# KiCad board ni_arena_12-12.kicad_pcb
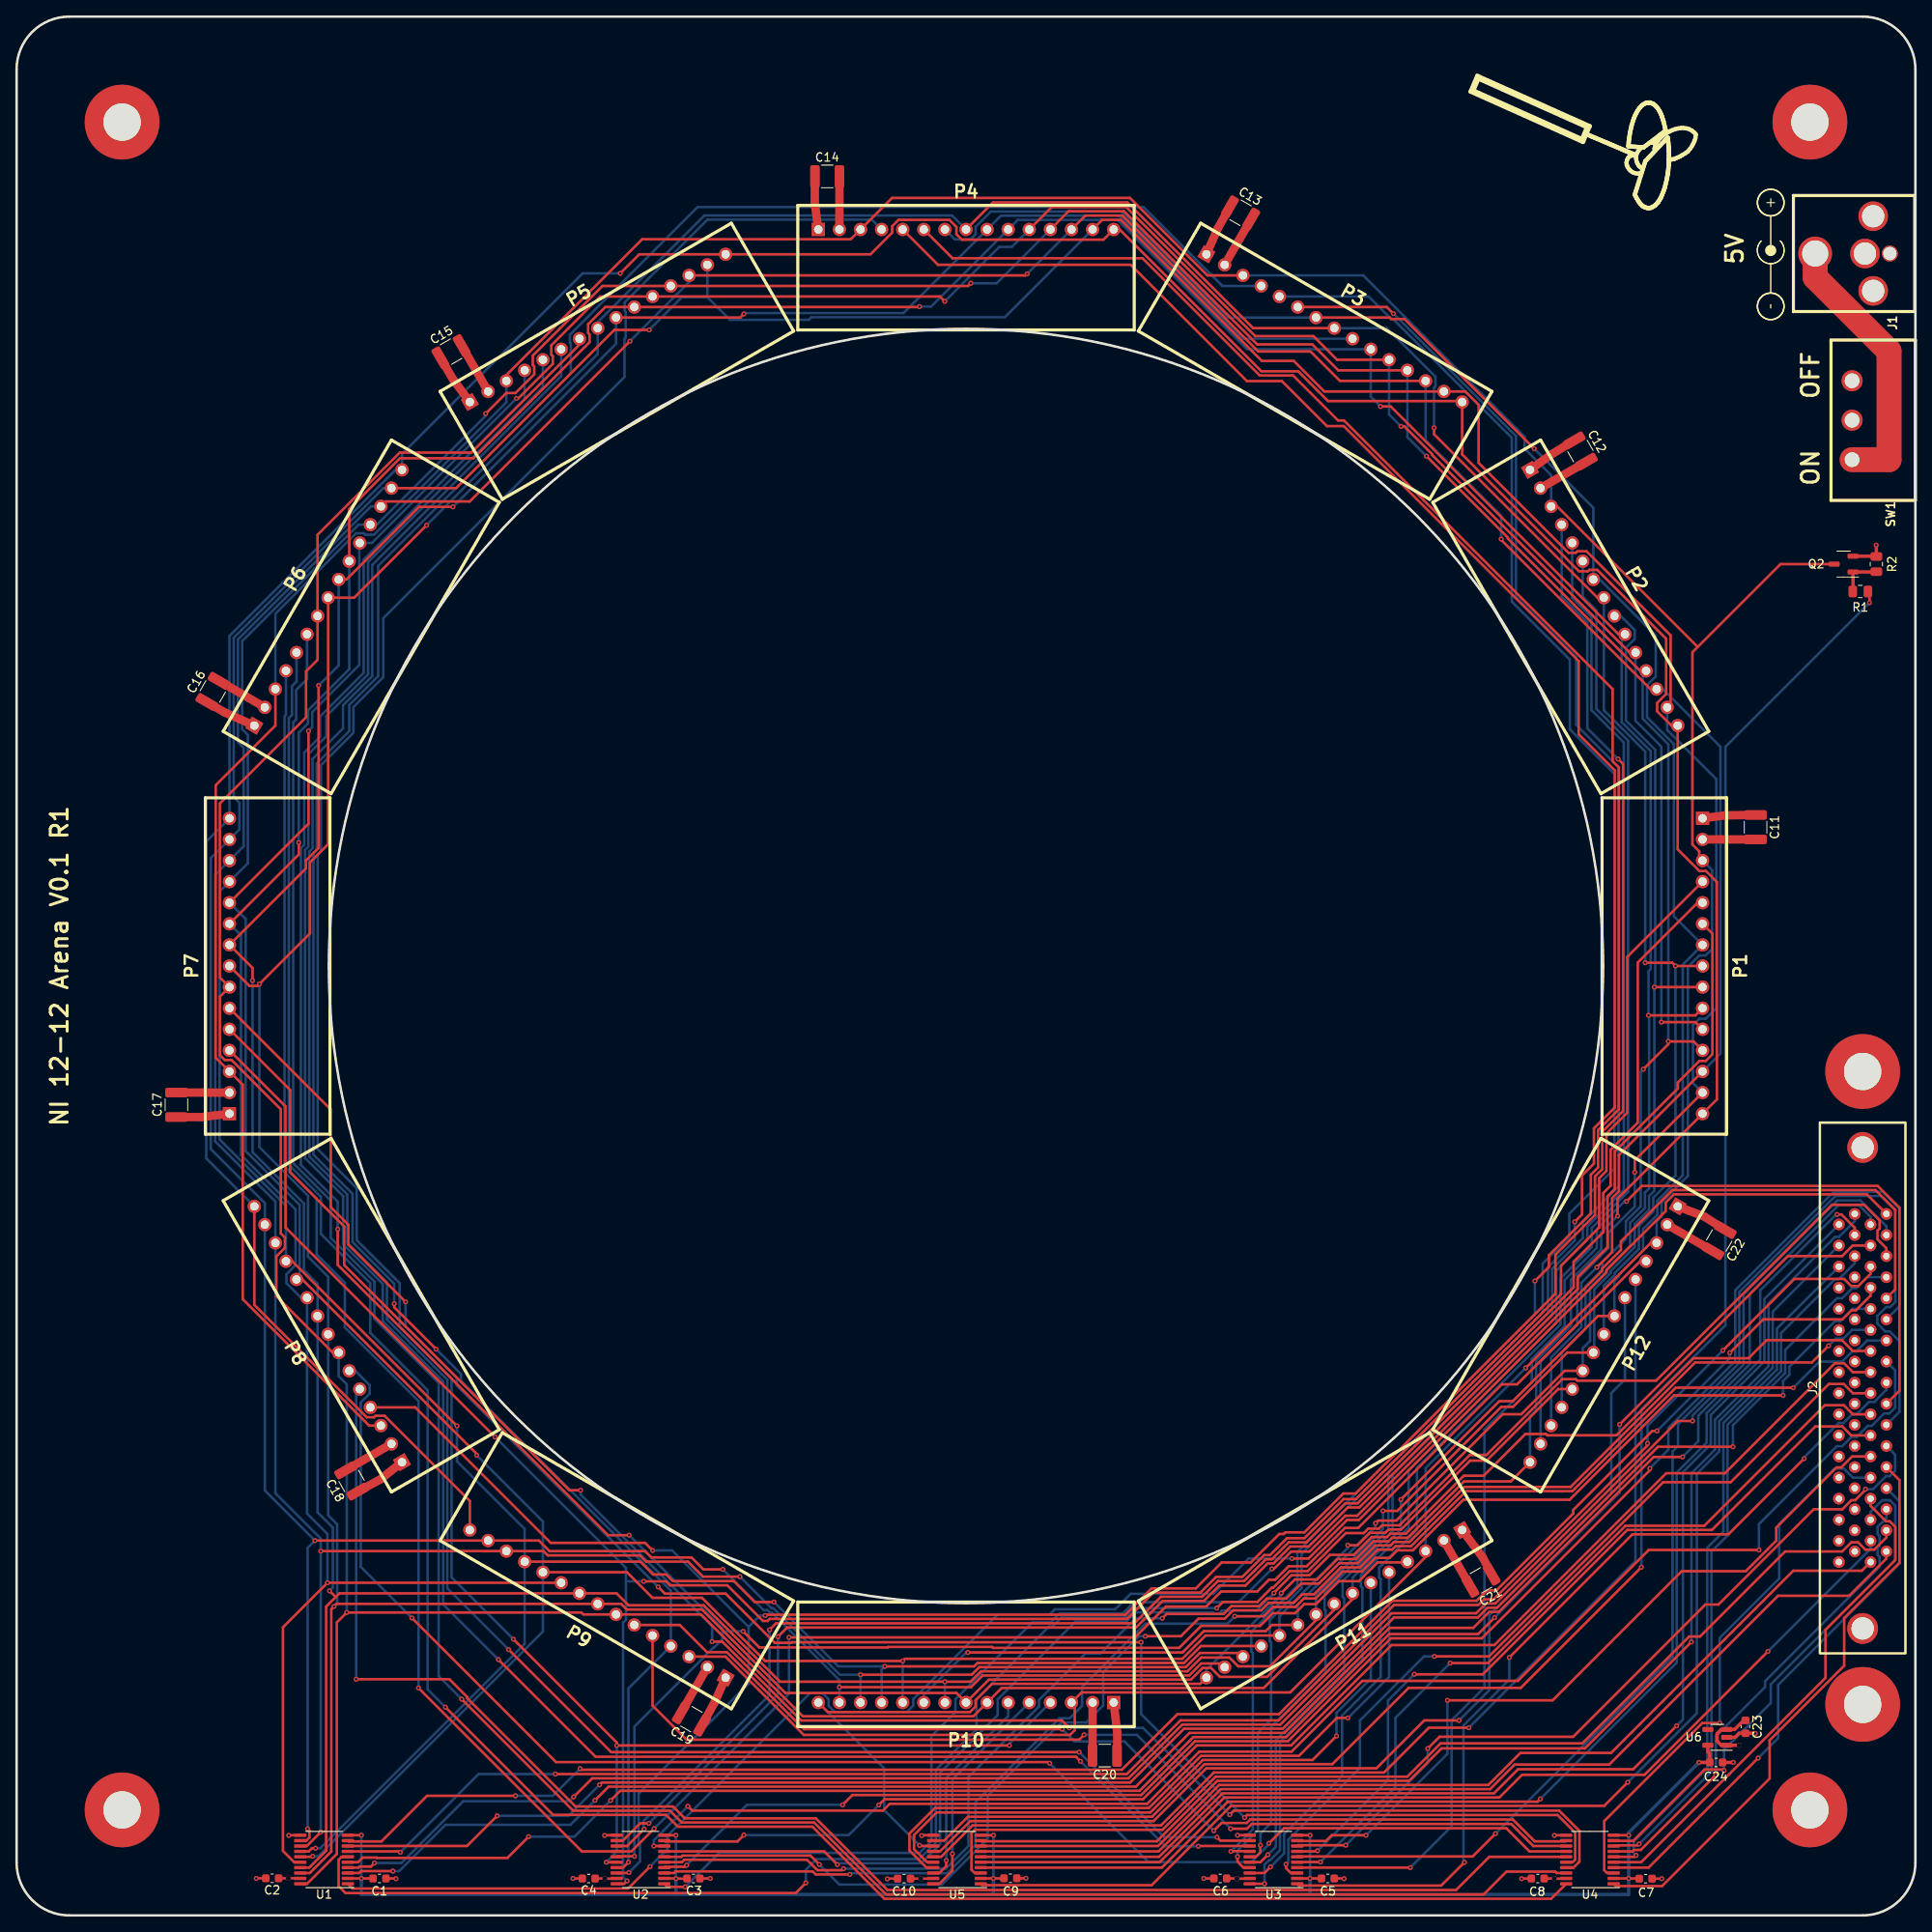
[diagram p0: board, top side]
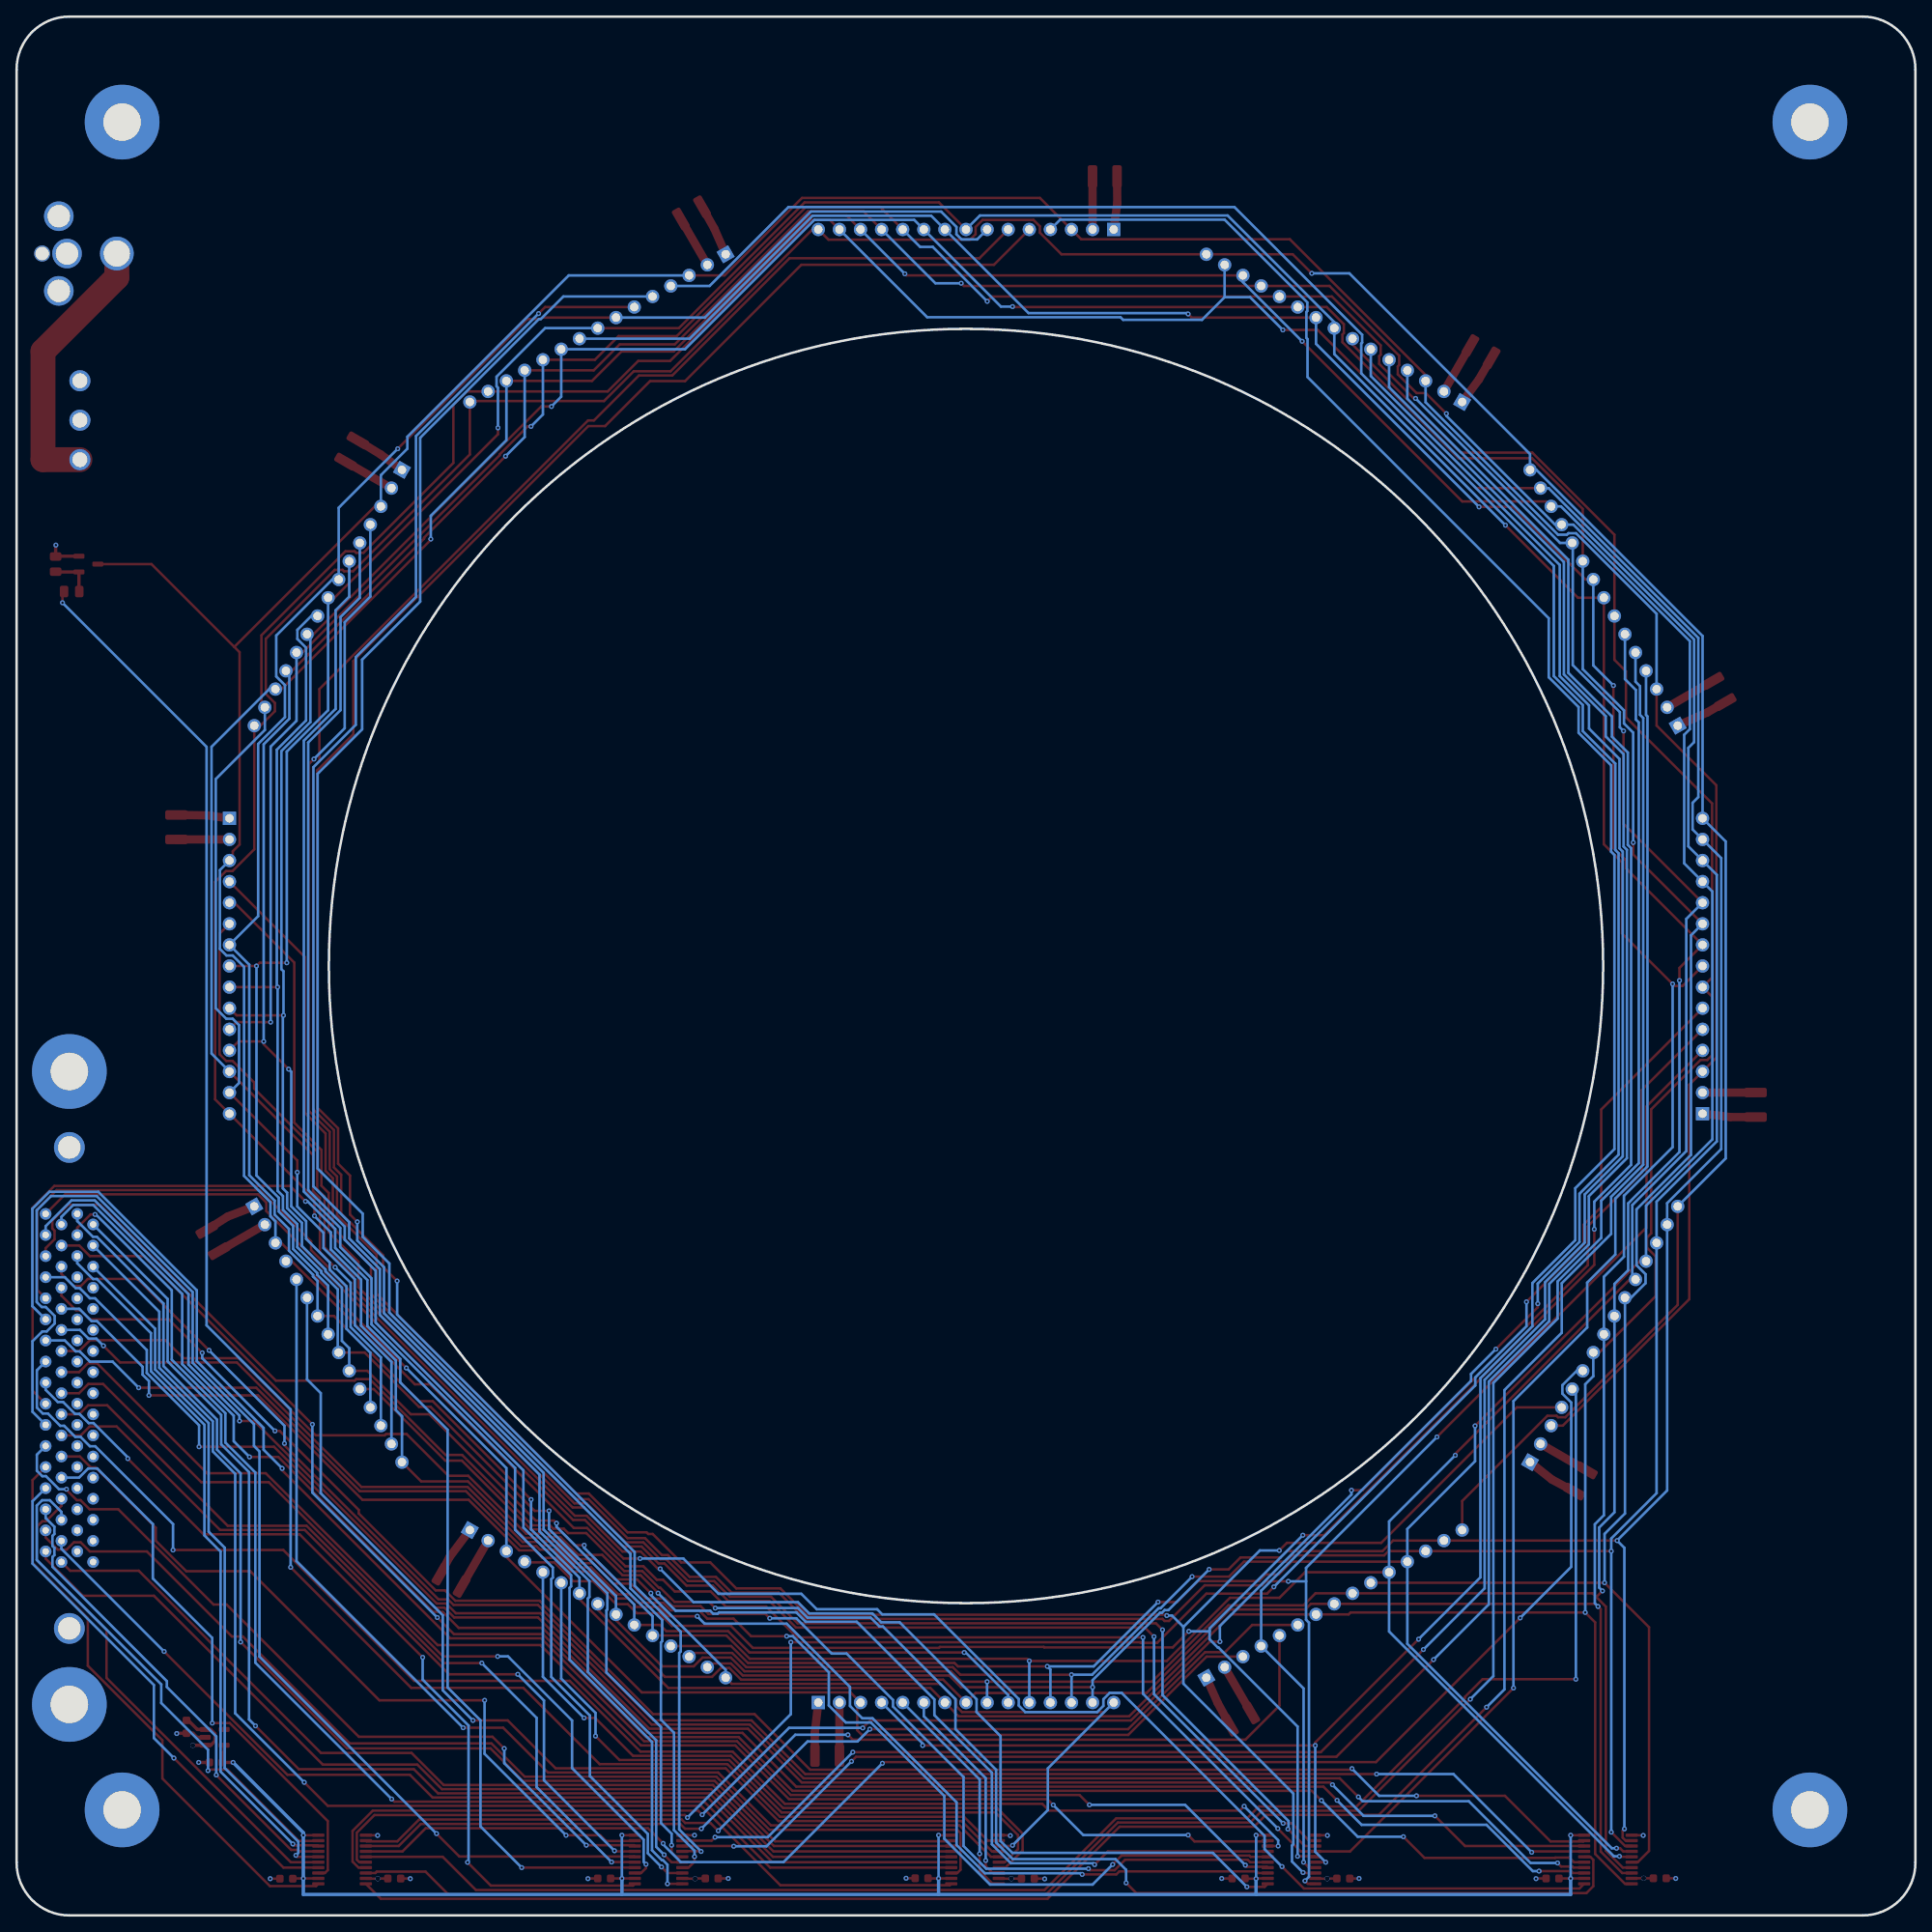
[diagram p1: board, bottom side, seen from below]

Outline 228.6 x 228.6 mm; copper layers: Top, In1.Cu (plane), In2.Cu (plane), Bottom. Coordinates in mm from the lower left corner of the outline.
Outline path: circle c114.3,114.3 r76.71 ; 0,222.25 0,6.35 arc(1.86,1.86) 6.35,0 222.25,0 arc(226.74,1.86) 228.6,6.35 228.6,222.25 arc(226.74,226.74) 222.25,228.6 6.35,228.6 arc(1.86,226.74) 0,222.25
Stack: Top 0.035mm / dielectric 0.1mm FR4 er 4.5 / In1.Cu 0.035mm / dielectric 1.24mm FR4 er 4.5 / In2.Cu 0.035mm / dielectric 0.1mm FR4 er 4.5 / Bottom 0.035mm

## Placement (name value [footprint] x y rotation side)
C1  0.1uF  [C_0603_1608Metric]  43.69 4.45 0 top
C2  0.1uF  [C_0603_1608Metric]  30.77 4.47 180 top
C3  0.1uF  [C_0603_1608Metric]  81.48 4.45 0 top
C4  0.1uF  [C_0603_1608Metric]  68.88 4.44 180 top
C5  0.1uF  [C_0603_1608Metric]  157.86 4.45 0 top
C6  0.1uF  [C_0603_1608Metric]  144.91 4.45 180 top
C7  0.1uF  [C_0603_1608Metric]  196.13 4.42 0 top
C8  0.1uF  [C_0603_1608Metric]  183.14 4.44 180 top
C9  0.1uF  [C_0603_1608Metric]  119.65 4.47 0 top
C10  0.1uF  [C_0603_1608Metric]  106.85 4.43 180 top
C11  100uF  [C_1210_3225Metric]  209.36 131.01 270 top
C12  100uF  [C_1210_3225Metric]  188.27 176.3 300 top
C13  100uF  [C_1210_3225Metric]  147.36 204.98 330 top
C14  100uF  [C_1210_3225Metric]  97.59 209.36 0 top
C15  100uF  [C_1210_3225Metric]  52.3 188.27 30 top
C16  100uF  [C_1210_3225Metric]  23.62 147.36 60 top
C17  100uF  [C_1210_3225Metric]  19.24 97.59 90 top
C18  100uF  [C_1210_3225Metric]  40.33 52.3 120 top
C19  100uF  [C_1210_3225Metric]  81.24 23.62 150 top
C20  100uF  [C_1210_3225Metric]  131.01 19.24 180 top
C21  100uF  [C_1210_3225Metric]  176.3 40.33 210 top
C22  100uF  [C_1210_3225Metric]  204.98 81.24 240 top
C23  10uF  [C_0603_1608Metric]  208.14 22.71 270 top
C24  10uF  [C_0603_1608Metric]  204.61 18.42 0 top
H1  MountingHole_Pad  [MountingHole_4.5mm_Pad]  12.7 215.9 0 top
H2  MountingHole_Pad  [MountingHole_4.5mm_Pad]  215.9 215.9 0 top
H3  MountingHole_Pad  [MountingHole_4.5mm_Pad]  215.9 12.7 0 top
H4  MountingHole_Pad  [MountingHole_4.5mm_Pad]  12.7 12.7 0 top
H5  MountingHole_Pad  [MountingHole_4.5mm_Pad]  222.25 101.6 0 top
H6  MountingHole_Pad  [MountingHole_4.5mm_Pad]  222.25 25.4 0 top
J1  Barrel_Jack  [DCJACK_2PIN_HIGHCURRENT]  228.52 200.08 270 top
J2  NI_TE_68pos  [TE_CONN_DSUB_VERT_68]  222.25 63.5 90 top
P1  CONN15  [HEADER_TOP]  202.97 114.3 270 top
P2  CONN15  [HEADER_TOP]  191.09 158.64 300 top
P3  CONN15  [HEADER_TOP]  158.64 191.09 330 top
P4  CONN15  [HEADER_TOP]  114.3 202.97 0 top
P5  CONN15  [HEADER_TOP]  69.96 191.09 30 top
P6  CONN15  [HEADER_TOP]  37.51 158.64 60 top
P7  CONN15  [HEADER_TOP]  25.63 114.3 90 top
P8  CONN15  [HEADER_TOP]  37.51 69.96 120 top
P9  CONN15  [HEADER_TOP]  69.96 37.51 150 top
P10  CONN15  [HEADER_TOP]  114.3 25.63 180 top
P11  CONN15  [HEADER_TOP]  158.64 37.51 210 top
P12  CONN15  [HEADER_TOP]  191.09 69.96 240 top
Q2  MOSFET_NCHAN  [SOT-23-3]  219.96 162.69 180 top
R1  200  [R_0805_2012Metric]  221.97 159.39 0 top
R2  20k  [R_0805_2012Metric]  223.9 162.69 270 top
SW1  SW_SPDT  [slide_switch]  223.52 180.01 90 top
U1  TXB0108PW  [TSSOP-20_4.4x6.5mm_P0.65mm]  37.02 6.73 180 top
U2  TXB0108PW  [TSSOP-20_4.4x6.5mm_P0.65mm]  75.12 6.73 180 top
U3  TXB0108PW  [TSSOP-20_4.4x6.5mm_P0.65mm]  151.32 6.73 180 top
U4  TXB0108PW  [TSSOP-20_4.4x6.5mm_P0.65mm]  189.42 6.73 180 top
U5  TXB0108PW  [TSSOP-20_4.4x6.5mm_P0.65mm]  113.22 6.73 180 top
U6  AP2112K-3.3  [SOT-23-5]  204.75 21.44 180 top

## Library data of the parts
C1-C24 = -: Description: Unpolarized capacitor
H1-H6 = -: Description: Mounting Hole with connection
J1 = -: Description: DC Barrel Jack
J2 = -: Description: Generic connector, double row, 02x34, counter clockwise pin numbering scheme (similar to DIP package numbering), script generated (kicad-library-utils/schlib/autogen/connector/)
R1 R2 = -: Description: Resistor
SW1 = -: Description: Switch, single pole double throw
U6 = -: Description: 600mA low dropout linear regulator, with enable pin, 3.8V-6V input voltage range, 3.3V fixed positive output, SOT-23-5

## Footprints (pads in the part's own frame, mm; a bottom-side part is the same pattern mirrored in y, then rotated)
C_0603_1608Metric
  rrect 0.9x0.95 smd: 1(-0.775,0) 2(0.775,0)
C_1210_3225Metric
  rrect 1.15x2.7 smd: 1(-1.475,0) 2(1.475,0)
DCJACK_2PIN_HIGHCURRENT
  round 3.556 hole 2.692: (-4.496,-5.004) (4.496,-5.004) 2(0,-5.994)
  round 1.93 hole 1.6: (0,-2.997)
  round 4.064 hole 3.15: 1(0,-11.989)
HEADER_TOP
  rect 1.6x1.6 hole 1.016: 1(-17.78,0)
  round 1.6 hole 1.016: 2(-15.24,0) 3(-12.7,0) 4(-10.16,0) 5(-7.62,0) 6(-5.08,0) 7(-2.54,0) 8(0,0) 9(2.54,0) 10(5.08,0) 11(7.62,0) 12(10.16,0) 13(12.7,0) 14(15.24,0) 15(17.78,0)
MountingHole_4.5mm_Pad
  round 9 hole 4.5: 1(0,0)
R_0805_2012Metric
  rrect 1.025x1.4 smd: 1(-0.912,0) 2(0.912,0)
slide_switch
  round 2.54 hole 1.778: 1(-4.75,2.54) 2(0,2.54) 3(4.75,2.54)
SOT-23-3
  rrect 1.325x0.6 smd: 1(-1.137,0.95) 2(-1.137,-0.95) 3(1.137,0)
SOT-23-5
  rrect 1.325x0.6 smd: 1(-1.137,0.95) 2(-1.137,0) 3(-1.137,-0.95) 4(1.137,-0.95) 5(1.137,0.95)
TE_CONN_DSUB_VERT_68
  round 1.4 hole 0.8: 1(-20.955,2.857) 2(-19.685,0.953) 3(-18.415,2.857) 4(-17.145,0.953) 5(-15.875,2.857) 6(-14.605,0.953) 7(-13.335,2.857) 8(-12.065,0.953) 9(-10.795,2.857) 10(-9.525,0.953) 11(-8.255,2.857) 12(-6.985,0.953) 13(-5.715,2.857) 14(-4.445,0.953) 15(-3.175,2.857) 16(-1.905,0.953) 17(-0.635,2.857) 18(0.635,0.953) 19(1.905,2.857) 20(3.175,0.953) 21(4.445,2.857) 22(5.715,0.953) 23(6.985,2.857) 24(8.255,0.953) 25(9.525,2.857) 26(10.795,0.953) 27(12.065,2.857) 28(13.335,0.953) 29(14.605,2.857) 30(15.875,0.953) 31(17.145,2.857) 32(18.415,0.953) 33(19.685,2.857) 34(20.955,0.953) 35(-20.955,-0.953) 36(-19.685,-2.857) 37(-18.415,-0.953) 38(-17.145,-2.857) 39(-15.875,-0.953) 40(-14.605,-2.857) 41(-13.335,-0.953) 42(-12.065,-2.857) 43(-10.795,-0.953) 44(-9.525,-2.857) 45(-8.255,-0.953) 46(-6.985,-2.857) 47(-5.715,-0.953) 48(-4.445,-2.857) 49(-3.175,-0.953) 50(-1.905,-2.857) 51(-0.635,-0.953) 52(0.635,-2.857) 53(1.905,-0.953) 54(3.175,-2.857) 55(4.445,-0.953) 56(5.715,-2.857) 57(6.985,-0.953) 58(8.255,-2.857) 59(9.525,-0.953) 60(10.795,-2.857) 61(12.065,-0.953) 62(13.335,-2.857) 63(14.605,-0.953) 64(15.875,-2.857) 65(17.145,-0.953) 66(18.415,-2.857) 67(19.685,-0.953) 68(20.955,-2.857)
  round 3.7 hole 2.7: 69(-28.955,0) 70(28.955,0)
TSSOP-20_4.4x6.5mm_P0.65mm
  rrect 1.475x0.4 smd: 1(-2.862,2.925) 2(-2.862,2.275) 3(-2.862,1.625) 4(-2.862,0.975) 5(-2.862,0.325) 6(-2.862,-0.325) 7(-2.862,-0.975) 8(-2.862,-1.625) 9(-2.862,-2.275) 10(-2.862,-2.925) 11(2.862,-2.925) 12(2.862,-2.275) 13(2.862,-1.625) 14(2.862,-0.975) 15(2.862,-0.325) 16(2.862,0.325) 17(2.862,0.975) 18(2.862,1.625) 19(2.862,2.275) 20(2.862,2.925)

## Nets
+3.3V: C1.1 C3.1 C5.1 C7.1 C9.1 C24.1 U1.2 U1.10 U2.2 U2.10 U3.2 U3.10 U4.2 U4.10 U5.2 U5.10 U6.5
+5V: C2.1 C4.1 C6.1 C8.1 C10.1 C11.1 C12.1 C13.1 C14.1 C15.1 C16.1 C17.1 C18.1 C19.1 C20.1 C21.1 C22.1 C23.1 P1.1 P2.1 P3.1 P4.1 P5.1 P6.1 P7.1 P8.1 P9.1 P10.1 P11.1 P12.1 SW1.2 U1.19 U2.19 U3.19 U4.19 U5.19 U6.1 U6.3
GND: C1.2 C2.2 C3.2 C4.2 C5.2 C6.2 C7.2 C8.2 C9.2 C10.2 C11.2 C12.2 C13.2 C14.2 C15.2 C16.2 C17.2 C18.2 C19.2 C20.2 C21.2 C22.2 C23.2 C24.2 H1.1 H2.1 H3.1 H4.1 H5.1 H6.1 J1.2 J2.1 J2.2 J2.3 J2.69 J2.70 P1.2 P2.2 P3.2 P4.2 P5.2 P6.2 P7.2 P8.2 P9.2 P10.2 P11.2 P12.2 Q2.2 R2.1 SW1.3 U1.11 U2.11 U3.11 U4.11 U5.11 U6.2
/Level Shifters/PAN3V.CS_00: J2.68 U1.1
/Level Shifters/PAN3V.CS_01: J2.67 U1.3
/Level Shifters/PAN3V.CS_02: J2.66 U1.4
/Level Shifters/PAN3V.CS_03: J2.65 U1.5
/Level Shifters/PAN3V.CS_04: J2.64 U1.6
/Level Shifters/PAN3V.CS_05: J2.63 U1.7
/Level Shifters/PAN3V.CS_06: J2.62 U1.8
/Level Shifters/PAN3V.CS_07: J2.61 U1.9
/Level Shifters/PAN3V.EXT_INT: J2.35 U5.8
/Level Shifters/PAN3V.MISO_00: J2.53 U2.9
/Level Shifters/PAN3V.MISO_01: J2.51 U3.3
/Level Shifters/PAN3V.MISO_02: J2.49 U3.5
/Level Shifters/PAN3V.MISO_03: J2.47 U3.7
/Level Shifters/PAN3V.MISO_04: J2.45 U3.9
/Level Shifters/PAN3V.MISO_05: J2.43 U4.3
/Level Shifters/PAN3V.MISO_06: J2.41 U4.5
/Level Shifters/PAN3V.MISO_07: J2.40 U4.7
/Level Shifters/PAN3V.MISO_08: J2.39 U4.9
/Level Shifters/PAN3V.MISO_09: J2.38 U5.3
/Level Shifters/PAN3V.MISO_10: J2.37 U5.5
/Level Shifters/PAN3V.MISO_11: J2.36 U5.7
/Level Shifters/PAN3V.MOSI_00: J2.54 U2.8
/Level Shifters/PAN3V.MOSI_01: J2.52 U3.1
/Level Shifters/PAN3V.MOSI_02: J2.50 U3.4
/Level Shifters/PAN3V.MOSI_03: J2.48 U3.6
/Level Shifters/PAN3V.MOSI_04: J2.46 U3.8
/Level Shifters/PAN3V.MOSI_05: J2.44 U4.1
/Level Shifters/PAN3V.MOSI_06: J2.42 U4.4
/Level Shifters/PAN3V.MOSI_07: J2.29 U4.6
/Level Shifters/PAN3V.MOSI_08: J2.30 U4.8
/Level Shifters/PAN3V.MOSI_09: J2.31 U5.1
/Level Shifters/PAN3V.MOSI_10: J2.32 U5.4
/Level Shifters/PAN3V.MOSI_11: J2.33 U5.6
/Level Shifters/PAN3V.RESET: J2.34 U5.9
/Level Shifters/PAN3V.SCK_00: J2.60 U2.1
/Level Shifters/PAN3V.SCK_01: J2.59 U2.3
/Level Shifters/PAN3V.SCK_02: J2.58 U2.4
/Level Shifters/PAN3V.SCK_03: J2.57 U2.5
/Level Shifters/PAN3V.SCK_04: J2.56 U2.6
/Level Shifters/PAN3V.SCK_05: J2.55 U2.7
/Level Shifters/PAN5V.CS_00: P1.7 P2.7 P3.7 P4.7 P5.7 P6.7 P7.7 P8.7 P9.7 P10.7 P11.7 P12.7 U1.20
/Level Shifters/PAN5V.CS_01: P1.8 P2.8 P3.8 P4.8 P5.8 P6.8 P7.8 P8.8 P9.8 P10.8 P11.8 P12.8 U1.18
/Level Shifters/PAN5V.CS_02: P1.9 P2.9 P3.9 P4.9 P5.9 P6.9 P7.9 P8.9 P9.9 P10.9 P11.9 P12.9 U1.17
/Level Shifters/PAN5V.CS_03: P1.10 P2.10 P3.10 P4.10 P5.10 P6.10 P7.10 P8.10 P9.10 P10.10 P11.10 P12.10 U1.16
/Level Shifters/PAN5V.CS_04: P1.11 P2.11 P3.11 P4.11 P5.11 P6.11 P7.11 P8.11 P9.11 P10.11 P11.11 P12.11 U1.15
/Level Shifters/PAN5V.CS_05: P1.12 P2.12 P3.12 P4.12 P5.12 P6.12 P7.12 P8.12 P9.12 P10.12 P11.12 P12.12 U1.14
/Level Shifters/PAN5V.CS_06: P1.13 P2.13 P3.13 P4.13 P5.13 P6.13 P7.13 P8.13 P9.13 P10.13 P11.13 P12.13 U1.13
/Level Shifters/PAN5V.CS_07: P1.14 P2.14 P3.14 P4.14 P5.14 P6.14 P7.14 P8.14 P9.14 P10.14 P11.14 P12.14 U1.12
/Level Shifters/PAN5V.EXT_INT: P1.15 P2.15 P3.15 P4.15 P5.15 P6.15 P7.15 P8.15 P9.15 P10.15 P11.15 P12.15 U5.13
/Level Shifters/PAN5V.MISO_00: P1.6 U2.12
/Level Shifters/PAN5V.MISO_01: P2.6 U3.18
/Level Shifters/PAN5V.MISO_02: P3.6 U3.16
/Level Shifters/PAN5V.MISO_03: P4.6 U3.14
/Level Shifters/PAN5V.MISO_04: P5.6 U3.12
/Level Shifters/PAN5V.MISO_05: P6.6 U4.18
/Level Shifters/PAN5V.MISO_06: P7.6 U4.16
/Level Shifters/PAN5V.MISO_07: P8.6 U4.14
/Level Shifters/PAN5V.MISO_08: P9.6 U4.12
/Level Shifters/PAN5V.MISO_09: P10.6 U5.18
/Level Shifters/PAN5V.MISO_10: P11.6 U5.16
/Level Shifters/PAN5V.MISO_11: P12.6 U5.14
/Level Shifters/PAN5V.MOSI_00: P1.5 U2.13
/Level Shifters/PAN5V.MOSI_01: P2.5 U3.20
/Level Shifters/PAN5V.MOSI_02: P3.5 U3.17
/Level Shifters/PAN5V.MOSI_03: P4.5 U3.15
/Level Shifters/PAN5V.MOSI_04: P5.5 U3.13
/Level Shifters/PAN5V.MOSI_05: P6.5 U4.20
/Level Shifters/PAN5V.MOSI_06: P7.5 U4.17
/Level Shifters/PAN5V.MOSI_07: P8.5 U4.15
/Level Shifters/PAN5V.MOSI_08: P9.5 U4.13
/Level Shifters/PAN5V.MOSI_09: P10.5 U5.20
/Level Shifters/PAN5V.MOSI_10: P11.5 U5.17
/Level Shifters/PAN5V.MOSI_11: P12.5 U5.15
/Level Shifters/PAN5V.RESET: R1.2 U5.12
/Level Shifters/PAN5V.SCK_00: P1.4 P7.4 U2.20
/Level Shifters/PAN5V.SCK_01: P2.4 P8.4 U2.18
/Level Shifters/PAN5V.SCK_02: P3.4 P9.4 U2.17
/Level Shifters/PAN5V.SCK_03: P4.4 P10.4 U2.16
/Level Shifters/PAN5V.SCK_04: P5.4 P11.4 U2.15
/Level Shifters/PAN5V.SCK_05: P6.4 P12.4 U2.14
/Panel Headers/RESET: P1.3 P2.3 P3.3 P4.3 P5.3 P6.3 P7.3 P8.3 P9.3 P10.3 P11.3 P12.3 Q2.3
Net-(Q2-G): Q2.1 R1.1 R2.2
Net-(SW1-A): J1.1 SW1.1

Pads without a net: J2 4 5 6 7 8 9 10 11 12 13 14 15 16 17 18 19 20 21 22 23 24 25 26 27 28; U6 4

## Via types
v1: diameter 0.6, hole 0.3, Top to Bottom, 213 vias
v2: diameter 0.6, hole 0.6, Top to Bottom, 6 vias
v3: diameter 0.6, hole 0, Top to Bottom, 18 vias

## Routing (per net, layer and track width the routed paths; a pad name or vN(x,y) marks a point on that pad's centre or on a via; arc(x,y) is an arc through that point)
+3.3V: length 226.5
  Top w0.3: U2.10 v1(79.38,9.65) ; U3.2 155.72,4.45 v1(155.73,4.45) C5.1 ; U4.10 v1(194.08,9.65) ; C9.1 118.85,4.45 v1(117.6,4.45) 117.59,4.45 U5.2 ; C7.1 195.33,4.45 v1(194.08,4.45) 194.07,4.45 U4.2 ; U3.10 v1(155.73,9.65) ; 80.7,4.43 C3.1 80.7,4.43 ; 80.7,4.43 80.68,4.42 v1(79.38,4.42) 79.34,4.45 U2.2 ; U1.10 v1(41.5,9.65) ; C1.1 v1(41.5,4.45) 41.5,4.45 U1.2 ; U5.10 v1(117.6,9.65)
  Top w0.4: v1(202.54,18.42) C24.1 203.83,19.48 203.62,19.7 U6.5
  Bottom w0.3: v1(155.73,4.45) v1(155.73,9.65) ; v1(41.5,4.45) v1(41.5,9.65) ; v1(79.38,4.42) v1(79.38,9.65) ; v1(117.6,4.45) v1(117.6,9.65)
  Bottom w0.4: 79.32,2.52 79.38,2.56 v1(79.38,4.42) ; 79.32,2.52 117.6,2.52 ; 79.32,2.52 41.5,2.52 v1(41.5,4.45) ; v1(202.54,18.42) 194.08,9.96 v1(194.08,9.65) v1(194.08,4.45) 194.08,2.52 155.73,2.52 ; 117.6,2.52 v1(117.6,4.45) ; 117.6,2.52 155.73,2.52 ; 155.73,2.52 v1(155.73,4.45)
+5V: length 98.2
  Top w0.3: U2.19 72.22,4.42 v2(70.81,4.42) 70.8,4.44 C4.1 ; C6.1 146.89,4.45 v2(146.91,4.42) 148.42,4.42 U3.19 ; C2.1 32.71,4.47 v2(32.72,4.47) 34.13,4.47 U1.19 ; U4.19 186.52,4.42 v2(185.12,4.42) 185.1,4.44 C8.1 ; C10.1 108.83,4.43 v2(108.84,4.42) 110.32,4.42 U5.19
  Top w0.4: C23.1 207.94,23.48 206.84,22.39 U6.3 205.23,22.39 204.72,21.88 204.72,20.99 205.23,20.49 U6.1 207.38,20.49 v2(207.39,20.47)
  Top w1: P7.1 22.28,96.11 C17.1 ; 54.56,182.2 52.55,184.91 51.02,187.53 ; 187.53,177.58 184.78,175.9 182.2,174.04 ; 205.72,82.52 203.2,84.13 P12.1 ; P1.1 205.71,132.44 C11.1 ; 174.03,46.4 176.5,43.1 177.58,41.07 ; 82.52,22.88 84,25.58 P9.1 ; 46.4,54.57 43.76,52.48 41.07,51.02 ; C20.1 132.51,21.97 P10.1 ; C14.1 96.09,206.17 P4.1 ; 22.88,146.08 25.04,144.83 P6.1 ; 146.08,205.72 144.6,203.07 P3.1
GND: length 104.8
  Top w0.3: v3(70.79,9.63) 70.81,9.65 U2.11 ; v3(104.83,4.39) 104.86,4.43 C10.2 ; v3(66.98,4.45) 66.99,4.44 C4.2 ; v3(181.2,4.42) 181.22,4.44 C8.2 ; U4.11 185.17,9.65 v3(185.14,9.63) ; v3(159.82,4.42) 159.79,4.45 C5.2 ; U1.11 32.79,9.65 v3(32.77,9.63) ; U3.11 v3(146.99,9.65) ; 196.9,4.42 v3(198.07,4.42) ; v3(28.85,4.45) 28.88,4.47 C2.2 ; v3(45.67,4.42) 45.64,4.45 C1.2 ; C9.2 v3(121.51,4.47) ; v3(142.93,4.45) 142.93,4.45 C6.2 ; U5.11 109.02,9.65 v3(108.97,9.6) ; C3.2 v3(83.51,4.45)
  Top w0.4: C24.2 v3(206.68,18.42) ; Q2.2 223.86,163.64 R2.1 223.9,164.95 v3(223.88,164.97) ; v3(209.32,21.9) 209.29,21.93 C23.2 207.38,21.93 206.88,21.44 U6.2
  Top w1: P7.2 C17.2 ; 29.89,145.44 C16.2 ; 83.16,29.89 C19.2 ; P11.2 175.02,39.59 ; 145.44,198.71 C13.2 ; P1.2 C11.2 ; P10.2 C20.2 ; P8.2 39.59,53.58 ; 198.71,83.16 C22.2 ; P5.2 53.58,189.01 ; P4.2 C14.2 ; P2.2 189.01,175.02
/Level Shifters/PAN3V.CS_00: length 225.6
  Top w0.3: v1(153.54,42.96) 155.53,42.96 160.18,47.61 161.6,47.61 191.41,77.42 191.41,77.67 198.54,84.8 198.54,85.82 199.53,86.81 222.75,86.81 J2.68 ; U1.1 40.45,3.23 73.61,3.23 v1(76.25,5.87)
  Bottom w0.3: v1(153.54,42.96) 148.33,42.96 144.08,38.71 134.12,38.71 132.26,36.85 125,36.85 124.39,36.24 118.14,36.24 107.95,26.05 107.95,25.26 107.16,24.47 98.51,24.47 97.76,25.22 97.76,26.03 97,26.79 95.56,26.79 78.35,9.58 78.35,7.98 v1(76.25,5.87)
/Level Shifters/PAN3V.CS_01: length 224.9
  Top w0.3: U1.3 41.24,5.1 41.47,5.33 v1(45.3,5.33) ; v1(200.56,55.19) 197.09,55.19 178.44,36.54 177.3,36.54 175.37,34.61 165.29,34.61 152.65,21.97 141.21,21.97 134.74,15.5 71.27,15.5 v1(69.63,13.86)
  Bottom w0.3: v1(45.3,5.33) 46.06,5.33 51.63,10.91 66.67,10.91 v1(69.63,13.86) ; v1(200.56,55.19) 202.46,57.09 202.46,60.16 208.66,66.36 208.66,74.81 219.38,85.53 221.77,85.53 223.2,84.1 J2.67
/Level Shifters/PAN3V.CS_02: length 226.2
  Top w0.3: v1(201.77,59.52) 200,59.52 178.02,37.55 176.88,37.55 175.71,36.37 165.54,36.37 152.14,22.98 140.33,22.98 133.86,16.5 69.3,16.5 v1(67.06,14.26) ; U1.4 41.16,5.75 41.29,5.88 42.65,5.88 v1(43.08,6.31)
  Bottom w0.3: v1(67.06,14.26) 66.54,13.75 53.76,13.75 46.32,6.31 v1(43.08,6.31) ; v1(201.77,59.52) 201.77,60.18 207.91,66.32 207.91,74.8 219.19,86.08 222,86.08 225.11,82.97 J2.66
/Level Shifters/PAN3V.CS_03: length 218.9
  Top w0.3: v1(71.51,13.84) 72.67,15 135.2,15 141.67,21.47 152.85,21.47 165.25,33.86 175.95,33.86 v1(177.95,35.86) ; v1(192.99,59.11) 213.25,79.38 219.78,79.38 221.05,80.65 223.2,80.65 ; U1.5 41.1,6.4 41.66,6.96 43.35,6.96 43.39,6.92 59.09,6.92 v1(61.64,9.47)
  Bottom w0.3: v1(61.64,9.47) 67.15,9.47 v1(71.51,13.84) ; v1(177.95,35.86) 192.99,50.9 v1(192.99,59.11)
/Level Shifters/PAN3V.CS_04: length 238.6
  Top w0.3: J2.64 225.11,80.33 224.04,81.4 224.04,82.43 224.3,82.7 224.3,83.67 222.42,85.55 218.56,85.55 197.38,64.38 187.9,64.38 187.72,64.56 186.09,64.56 176.96,55.43 174.96,55.43 166.49,46.96 164.4,46.96 164,46.56 162.73,46.56 162.19,46.03 160.02,46.03 155.44,41.45 153.27,41.45 151.27,39.44 151.1,39.44 149.4,37.74 145.23,37.74 v1(144.49,37) ; U1.6 39.13,7.05 38.77,6.69 38.77,3.52 39.6,2.69 93.8,2.69 v1(95.02,3.91)
  Bottom w0.3: v1(95.02,3.91) 95.02,5.49 96.31,6.78 108.67,6.78 110.68,8.78 110.68,17.53 115.57,22.43 115.57,26.05 124.3,34.78 124.71,34.78 125.78,35.85 133.39,35.85 134.53,37 v1(144.49,37)
/Level Shifters/PAN3V.CS_05: length 215.2
  Top w0.3: v1(196.35,56.82) 196.35,56.59 177.82,38.05 176.66,38.05 175.99,37.38 165.83,37.38 151.94,23.48 140.12,23.48 133.66,17.01 v1(64.87,17.01) ; U1.7 46.1,7.7 v1(46.2,7.6) ; v1(205.42,68.02) 214.03,76.63 220.02,76.63 220.87,75.77 221.73,75.77 223.2,77.24 J2.63
  Bottom w0.3: v1(196.35,56.82) 196.35,58.95 v1(205.42,68.02) ; v1(64.87,17.01) 55.61,17.01 v1(46.2,7.6)
/Level Shifters/PAN3V.CS_06: length 216.7
  Top w0.3: v1(70.18,15.73) 70.45,16 134.07,16 140.54,22.47 152.43,22.47 165.83,35.87 175.92,35.87 177.09,37.04 178.23,37.04 197.61,56.42 v1(206.63,56.42) ; v1(57.85,11.98) 54.21,8.35 U1.8
  Bottom w0.3: v1(70.18,15.73) 66.44,11.98 v1(57.85,11.98) ; v1(206.63,56.42) 206.63,59.01 212.93,65.31 212.93,68.07 219.16,74.3 219.78,74.3 221.01,75.52 221.48,75.52 222.8,76.84 J2.62
/Level Shifters/PAN3V.CS_07: length 212.3
  Top w0.3: v1(60.06,14.4) 49.41,14.4 43.92,8.9 39.98,8.9 U1.9 ; v1(206.25,67.73) 210.28,71.76 219.81,71.76 220.9,72.85 221.44,72.85 223.2,74.61 J2.61 ; v1(197.49,58.33) 196.92,58.33 187.41,48.81 187.41,48.39 178.15,39.13 177.03,39.13 175.78,37.88 165.63,37.88 151.98,24.23 139.75,24.23 133.06,17.54 67.96,17.54 v1(67.83,17.67)